# KiCad board chastity.kicad_pcb
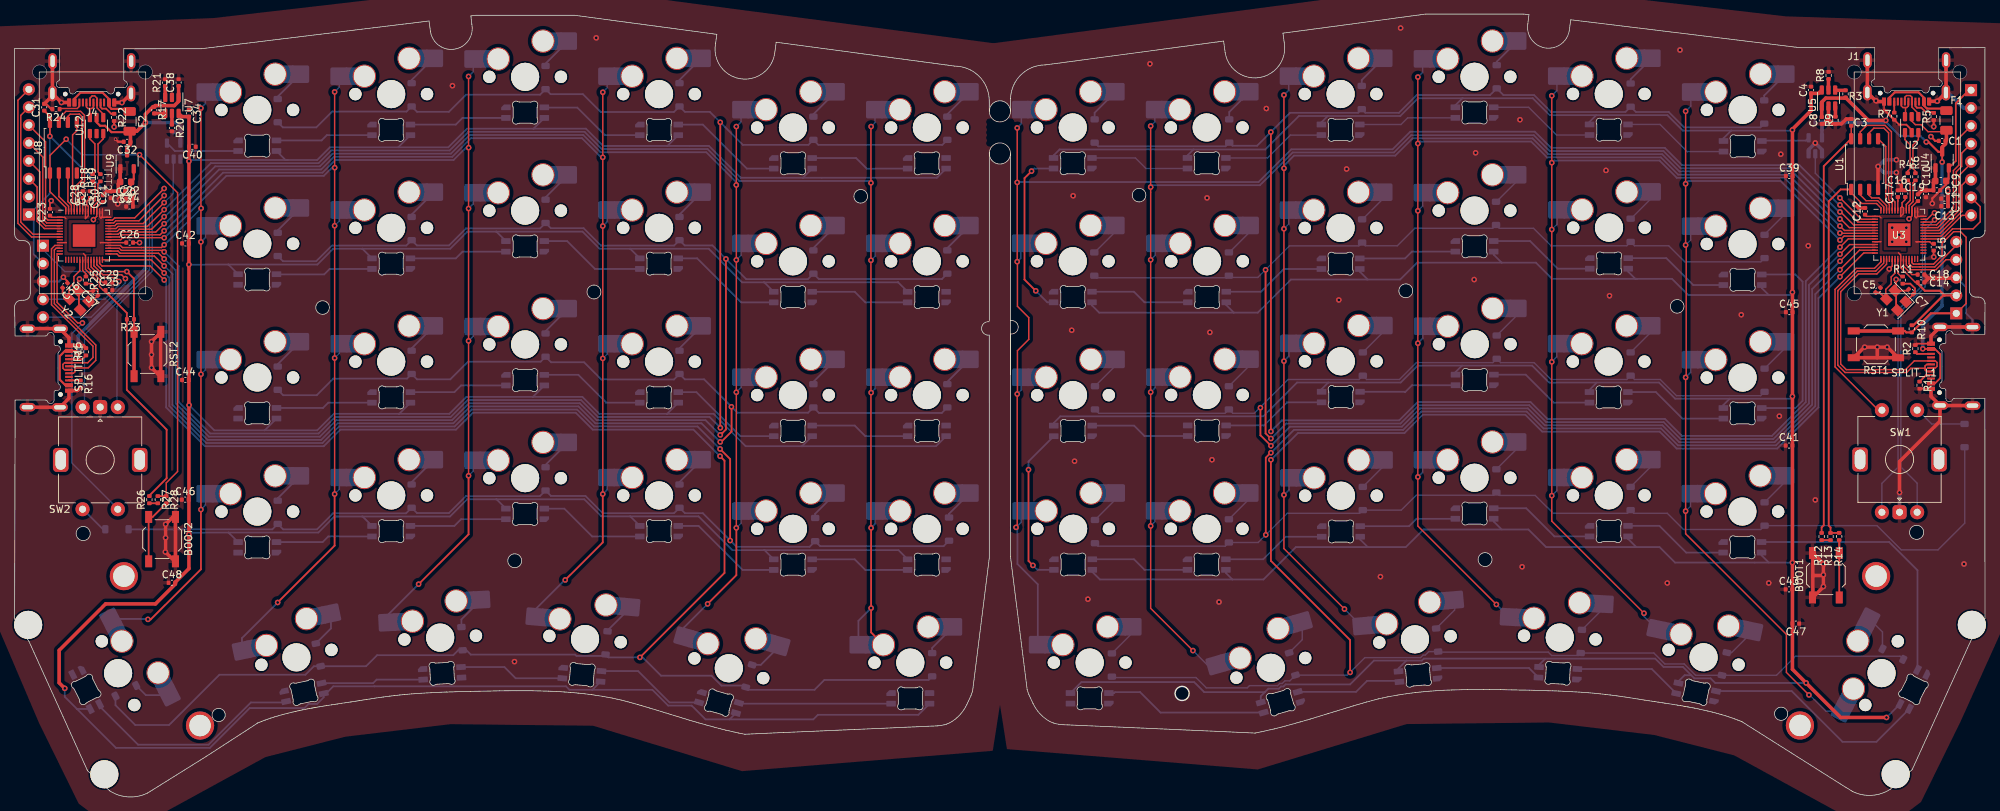
[diagram p0: board, top side]
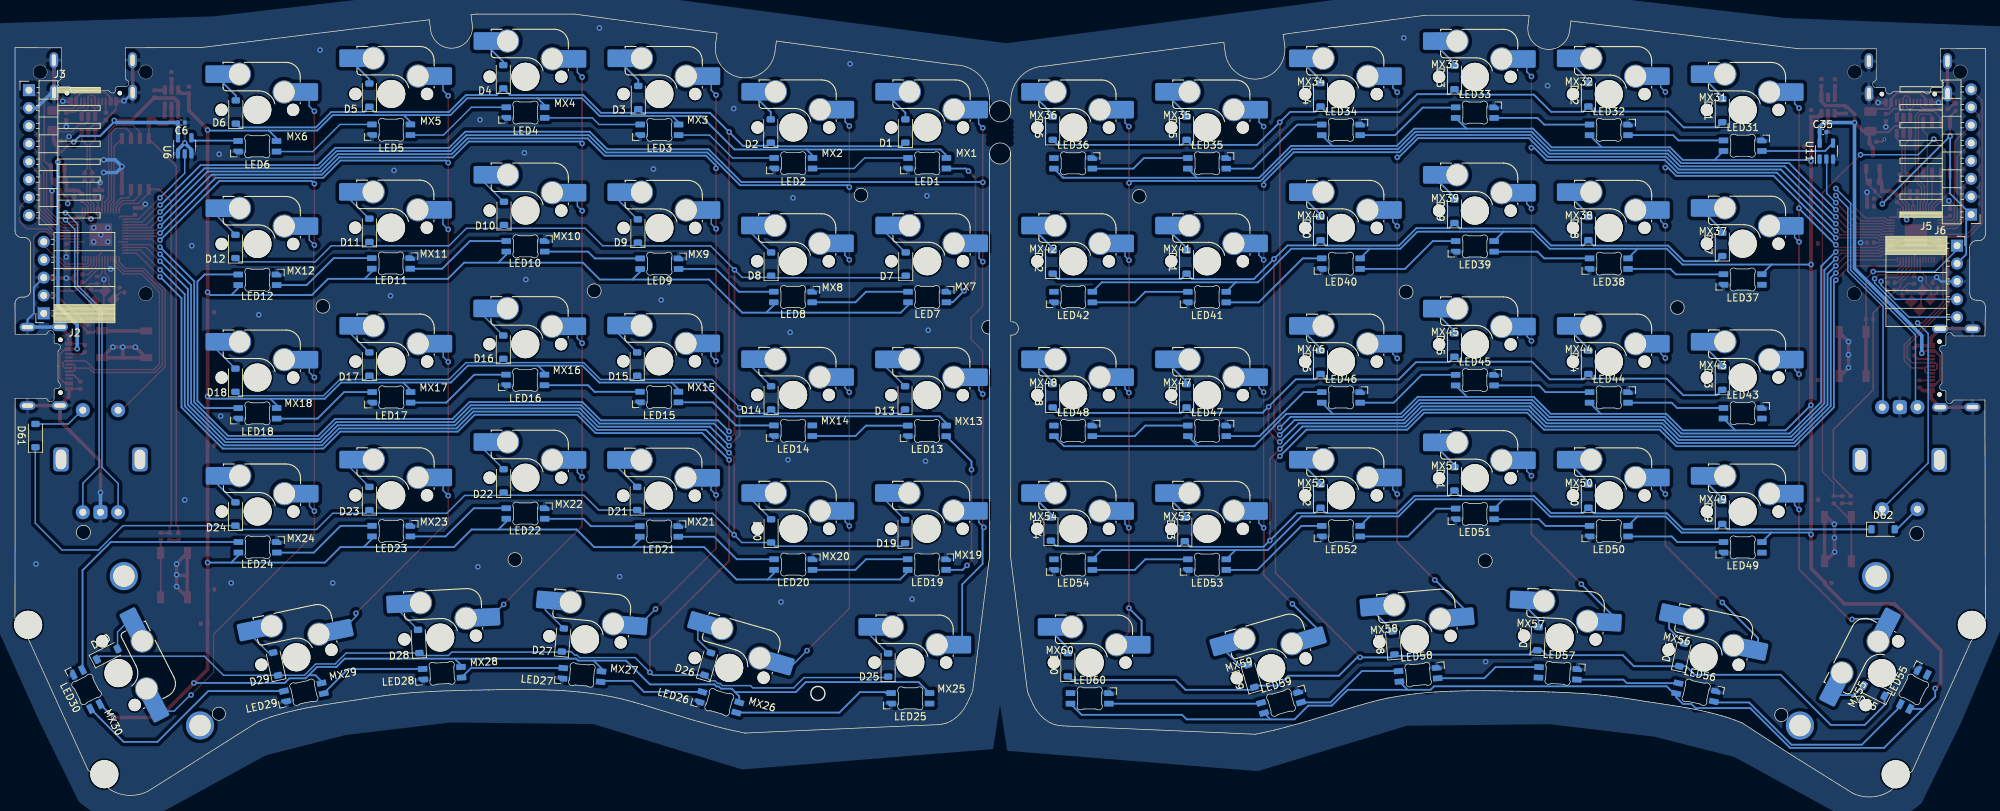
[diagram p1: board, bottom side, seen from below]

Outline 279.56 x 111.2 mm; copper layers: Top, Bottom. Coordinates in mm from the lower left corner of the outline.
Outline path: circle c9.73,37.42 r1 ; circle c28.95,11.65 r0.93 ; circle c43.7,69.52 r0.97 ; circle c70.96,33.55 r0.99 ; circle c82.2,71.73 r0.98 ; circle c120.05,85.32 r0.97 ; circle c139.79,97.38 r1.5 ; circle c139.79,91.4 r1.5 ; circle c159.54,85.49 r0.97 ; circle c165.65,14.71 r1 ; circle c197.39,71.9 r0.98 ; circle c208.63,33.72 r0.99 ; circle c235.89,69.69 r0.97 ; circle c250.64,11.82 r0.93 ; circle c269.86,37.59 r1 ; 0.07,65.48 0,69.61 arc(0.28,70.28) 0.94,70.55 1.28,70.55 arc(1.95,70.83) 2.23,71.5 2.23,78.07 arc(1.95,78.74) 1.28,79.01 0.95,79.02 arc(0.28,79.29) 0.01,79.96 0.01,106.29 6.4,106.27 ; 0.07,56.38 0.01,25.29 2.06,22.06 10.35,3.73 13.51,0.87 arc(16.13,0.01) 18.84,0.55 27.26,5.81 34.51,10.52 35.06,10.74 35.53,10.92 36.36,11.21 36.9,11.38 37.4,11.53 38.08,11.72 38.74,11.89 39.35,12.04 39.79,12.14 40.24,12.24 40.48,12.29 40.89,12.38 41.25,12.45 41.55,12.51 41.89,12.57 42.15,12.62 42.32,12.65 42.5,12.68 42.61,12.7 42.73,12.72 43.19,12.8 43.67,12.88 44.22,12.97 44.99,13.09 45.45,13.16 45.78,13.21 46.4,13.31 46.96,13.39 47.71,13.5 48.3,13.59 48.99,13.7 49.88,13.84 51.1,14.03 52.29,14.2 53.21,14.32 53.9,14.4 54.62,14.48 55.28,14.55 56.33,14.64 57.63,14.73 59.11,14.81 60.52,14.88 61.34,14.91 62.04,14.92 62.58,14.95 64.66,15 67.17,15.04 68.82,15.08 70.32,15.09 73.45,15.09 75.75,15.03 76.83,14.99 77.98,14.92 78.93,14.85 80.01,14.75 80.85,14.66 81.82,14.54 83.41,14.3 84.77,14.05 85.51,13.89 86.06,13.77 87,13.52 87.75,13.32 88.38,13.14 88.98,12.97 89.61,12.78 90.08,12.64 93.12,11.71 95.77,10.9 97.11,10.51 99.35,9.89 100.88,9.5 102.7,9.09 103.6,8.91 109.14,9.16 119.19,9.59 130.16,10.07 130.93,10.1 131.44,10.16 131.9,10.25 132.23,10.35 132.71,10.55 arc(134.09,11.63) 135.07,13.07 135.68,14.37 135.92,15.06 138.29,33.97 138.28,65.6 arc(137.19,66.55) 138.29,67.5 ; 15.5,106.27 26.48,106.28 58.8,110.22 59,108.73 arc(62.45,106.22) 64.88,109.72 64.73,110.94 65.46,111.03 79.42,111.03 99.63,108.32 99.45,106.99 ; 99.45,106.99 arc(102.91,102.02) 107.83,105.55 108.05,107.2 133.38,103.81 arc(136.82,102.39) 138.28,98.97 138.29,97.38 ; 138.29,67.66 138.29,91.56 ; 141.29,59.93 141.3,91.4 ; 141.3,67.67 arc(142.4,66.72) 141.3,65.77 141.3,34.14 143.67,15.23 143.91,14.54 144.51,13.24 arc(145.5,11.8) 146.88,10.72 147.36,10.52 147.69,10.42 148.15,10.33 148.66,10.27 149.43,10.24 170.45,9.33 175.99,9.08 176.89,9.26 178.71,9.67 180.24,10.06 182.48,10.68 183.82,11.07 186.47,11.88 189.51,12.81 189.98,12.95 190.61,13.14 191.21,13.31 191.84,13.49 192.59,13.69 193.53,13.94 194.08,14.06 194.82,14.22 196.18,14.47 197.77,14.71 198.74,14.83 199.58,14.92 200.66,15.02 201.61,15.09 202.76,15.16 203.84,15.2 206.14,15.26 209.27,15.26 210.77,15.25 212.42,15.21 214.93,15.17 217.01,15.12 217.55,15.09 218.25,15.08 219.07,15.05 220.48,14.98 221.96,14.9 223.26,14.81 224.31,14.72 224.97,14.65 225.69,14.57 226.38,14.49 227.3,14.37 228.49,14.2 229.71,14.01 230.6,13.87 231.29,13.76 231.88,13.67 232.63,13.56 233.19,13.48 233.81,13.38 234.14,13.33 234.6,13.26 235.37,13.14 235.92,13.05 236.4,12.97 236.86,12.89 236.98,12.87 237.09,12.85 237.27,12.82 237.44,12.79 237.7,12.74 238.04,12.68 238.34,12.62 238.7,12.55 239.11,12.46 239.35,12.41 239.8,12.31 240.24,12.21 240.85,12.06 241.51,11.89 242.19,11.7 242.69,11.55 243.23,11.38 244.06,11.09 244.53,10.91 245.08,10.69 259.69,1.44 260.78,0.77 arc(263.49,0.24) 266.12,1.1 269.24,3.9 277.55,22.19 279.56,25.33 279.54,56.63 ; 141.3,97.38 141.3,99.22 ; 141.3,99.14 arc(142.77,102.56) 146.21,103.98 171.54,107.37 171.76,105.72 arc(176.67,102.19) 180.14,107.16 ; 180.14,107.16 179.96,108.49 200.17,111.2 214.13,111.2 214.86,111.11 214.71,109.89 arc(217.14,106.39) 220.59,108.9 220.79,110.39 253.11,106.45 263.9,106.41 ; 273,106.41 279.56,106.43 279.56,80.41 arc(279.28,79.74) 278.61,79.47 278.28,79.46 arc(277.61,79.19) 277.34,78.52 277.34,71.95 arc(277.61,71.28) 278.28,71 278.62,71 arc(279.29,70.73) 279.56,70.06 279.54,65.73

## Placement (name value [footprint] x y rotation side)
BOOT1  SW_Push  [SW_SPST_TL3342]  256.98 31.49 90 top
BOOT2  SW_Push  [SW_SPST_TL3342]  20.92 36.63 270 top
C1  1u  [C_0402_1005Metric]  273.48 93.19 180 top
C2  1u  [C_0402_1005Metric]  272.72 86.17 180 top
C3  1u  [C_0402_1005Metric]  260.59 95.82 90 top
C4  100u  [C_0402_1005Metric]  254.88 100.41 270 top
C5  22p  [C_0402_1005Metric]  264.38 71.99 225 top
C6  100n  [C_0402_1005Metric]  255.95 95.79 0 bottom
C7  22p  [C_0402_1005Metric]  269.07 71.78 135 top
C8  100n  [C_0402_1005Metric]  256.4 96.09 270 top
C9  10u  [C_0603_1608Metric]  273.28 87.49 180 top
C10  1u  [C_0402_1005Metric]  271.19 85.67 90 top
C11  100n  [C_0402_1005Metric]  273.81 84.99 0 top
C12  100n  [C_0402_1005Metric]  262.54 83.19 90 top
C13  100n  [C_0402_1005Metric]  273.83 83.92 0 top
C14  100n  [C_0402_1005Metric]  270.48 73.09 0 top
C15  100n  [C_0402_1005Metric]  272.28 78.09 270 top
C16  100n  [C_0402_1005Metric]  268.25 85.69 90 top
C17  100n  [C_0402_1005Metric]  267.2 85.69 90 top
C18  100n  [C_0402_1005Metric]  270.48 74.2 0 top
C19  1u  [C_0402_1005Metric]  270.05 85.12 90 top
C20  10u  [C_0603_1608Metric]  15.76 87.36 180 top
C21  1u  [C_0402_1005Metric]  13.66 85.53 90 top
C22  100n  [C_0402_1005Metric]  16.3 84.97 0 top
C23  100n  [C_0402_1005Metric]  5.02 83.06 90 top
C24  100n  [C_0402_1005Metric]  16.3 83.86 0 top
C25  100n  [C_0402_1005Metric]  13.38 71.97 0 top
C26  100n  [C_0402_1005Metric]  16.32 78.74 0 top
C27  100n  [C_0402_1005Metric]  10.73 85.56 90 top
C28  1u  [C_0402_1005Metric]  9.67 85.56 90 top
C29  100n  [C_0402_1005Metric]  13.37 73.07 0 top
C30  100n  [C_0402_1005Metric]  12.52 84.98 90 top
C31  1u  [C_0402_1005Metric]  4.2 97.96 90 top
C32  1u  [C_0402_1005Metric]  15.96 93.06 180 top
C33  1u  [C_0402_1005Metric]  15.19 86.04 180 top
C34  100u  [C_0402_1005Metric]  24.73 97.11 270 top
C35  100n  [C_0402_1005Metric]  23.05 94.43 0 bottom
C36  22p  [C_0402_1005Metric]  7.16 72.66 225 top
C37  22p  [C_0402_1005Metric]  11.47 71.56 135 top
C38  100n  [C_0402_1005Metric]  23.27 101.48 90 top
C39  100u  [C_0402_1005Metric]  251.78 88.19 0 top
C40  100u  [C_0402_1005Metric]  25.22 92.36 180 top
C41  100u  [C_0402_1005Metric]  251.76 49.92 0 top
C42  100u  [C_0402_1005Metric]  24.24 78.63 0 top
C43  100u  [C_0402_1005Metric]  251.75 29.49 0 top
C44  100u  [C_0402_1005Metric]  24.24 59.23 0 top
C45  100u  [C_0402_1005Metric]  251.78 68.86 0 top
C46  100u  [C_0402_1005Metric]  24.2 42.23 0 top
C47  100u  [C_0402_1005Metric]  252.72 24.62 180 top
C48  100u  [C_0402_1005Metric]  22.32 30.43 0 top
D1  D_Small  [D_SOD-123]  153.23 94.59 90 bottom
D2  D_Small  [D_SOD-123]  172.33 94.59 90 bottom
D3  D_Small  [D_SOD-123]  191.13 99.34 90 bottom
D4  D_Small  [D_SOD-123]  210.28 102.29 90 bottom
D5  D_Small  [D_SOD-123]  229.28 99.69 90 bottom
D6  D_Small  [D_SOD-123]  248.23 97.29 90 bottom
D7  D_Small  [D_SOD-123]  153.18 75.69 90 bottom
D8  D_Small  [D_SOD-123]  172.28 75.69 90 bottom
D9  D_Small  [D_SOD-123]  191.18 80.39 90 bottom
D10  D_Small  [D_SOD-123]  210.18 82.89 90 bottom
D11  D_Small  [D_SOD-123]  229.28 80.49 90 bottom
D12  D_Small  [D_SOD-123]  248.28 78.19 90 bottom
D13  D_Small  [D_SOD-123]  153.28 56.69 90 bottom
D14  D_Small  [D_SOD-123]  172.28 56.69 90 bottom
D15  D_Small  [D_SOD-123]  191.28 61.49 90 bottom
D16  D_Small  [D_SOD-123]  210.28 63.89 90 bottom
D17  D_Small  [D_SOD-123]  229.28 61.49 90 bottom
D18  D_Small  [D_SOD-123]  248.28 59.19 90 bottom
D19  D_Small  [D_SOD-123]  153.28 37.69 90 bottom
D20  D_Small  [D_SOD-123]  172.28 37.79 90 bottom
D21  D_Small  [D_SOD-123]  191.28 42.39 90 bottom
D22  D_Small  [D_SOD-123]  210.23 44.89 90 bottom
D23  D_Small  [D_SOD-123]  229.28 42.39 90 bottom
D24  D_Small  [D_SOD-123]  248.28 40.19 90 bottom
D25  D_Small  [D_SOD-123]  155.68 18.74 90 bottom
D26  D_Small  [D_SOD-123]  181.28 18.89 106 bottom
D27  D_Small  [D_SOD-123]  201.83 22.29 95 bottom
D28  D_Small  [D_SOD-123]  222.28 22.09 87 bottom
D29  D_Small  [D_SOD-123]  242.58 18.89 78 bottom
D30  D_Small  [D_SOD-123]  266.48 20.29 153 bottom
D31  D_Small  [D_SOD-123]  37.33 97.48 90 bottom
D32  D_Small  [D_SOD-123]  56.33 99.73 90 bottom
D33  D_Small  [D_SOD-123]  75.33 102.18 90 bottom
D34  D_Small  [D_SOD-123]  94.33 99.73 90 bottom
D35  D_Small  [D_SOD-123]  113.33 94.98 90 bottom
D36  D_Small  [D_SOD-123]  132.33 94.98 90 bottom
D37  D_Small  [D_SOD-123]  37.33 78.48 90 bottom
D38  D_Small  [D_SOD-123]  56.33 80.73 90 bottom
D39  D_Small  [D_SOD-123]  75.33 83.18 90 bottom
D40  D_Small  [D_SOD-123]  94.33 80.73 90 bottom
D41  D_Small  [D_SOD-123]  113.33 75.98 90 bottom
D42  D_Small  [D_SOD-123]  132.33 75.98 90 bottom
D43  D_Small  [D_SOD-123]  37.33 59.48 90 bottom
D44  D_Small  [D_SOD-123]  56.33 61.73 90 bottom
D45  D_Small  [D_SOD-123]  75.33 64.18 90 bottom
D46  D_Small  [D_SOD-123]  94.33 61.73 90 bottom
D47  D_Small  [D_SOD-123]  113.33 56.98 90 bottom
D48  D_Small  [D_SOD-123]  132.33 56.98 90 bottom
D49  D_Small  [D_SOD-123]  37.33 40.43 90 bottom
D50  D_Small  [D_SOD-123]  56.33 42.73 90 bottom
D51  D_Small  [D_SOD-123]  75.33 45.18 90 bottom
D52  D_Small  [D_SOD-123]  94.33 42.73 90 bottom
D53  D_Small  [D_SOD-123]  113.59 37.98 90 bottom
D54  D_Small  [D_SOD-123]  132.58 38.05 90 bottom
D55  D_Small  [D_SOD-123]  15.78 15.08 27 bottom
D56  D_Small  [D_SOD-123]  43.08 20.18 102 bottom
D57  D_Small  [D_SOD-123]  63.48 22.48 93 bottom
D58  D_Small  [D_SOD-123]  83.98 21.88 85 bottom
D59  D_Small  [D_SOD-123]  104.18 17.18 74 bottom
D60  D_Small  [D_SOD-123]  130.18 18.78 90 bottom
D61  D_Small  [D_SOD-123]  276.66 51.33 90 bottom
D62  D_Small  [D_SOD-123]  14.52 38.03 180 bottom
F1  Fuse_Small  [Fuse_1206_3216Metric]  274.08 96.09 270 top
F2  Fuse_Small  [Fuse_1206_3216Metric]  16.32 95.96 270 top
J1  USB_C_Receptacle_USB2.0  [USB_C_Receptacle_HRO_TYPE-C-31-M-14]  268.44 99.98 180 top
J2  Conn_01x05  [PinSocket_1x05_P2.54mm_Horizontal]  275.48 68.69 0 bottom
J3  Conn_01x08_Pin  [PinHeader_1x08_P2.54mm_Horizontal]  277.58 100.39 180 bottom
J4  USB_C_Receptacle_USB2.0  [USB_C_Receptacle_HRO_TYPE-C-31-M-14]  10.94 99.84 180 top
J5  Conn_01x05  [PinSocket_1x05_P2.54mm_Horizontal]  4.02 78.31 180 bottom
J6  Conn_01x08_Pin  [PinHeader_1x08_P2.54mm_Horizontal]  2.02 82.73 0 bottom
LED1  SK6803MINI-E  [LED_MX_6028R]  150.13 90.01 180 bottom
LED2  SK6803MINI-E  [LED_MX_6028R]  169.13 90.01 180 bottom
LED3  SK6803MINI-E  [LED_MX_6028R]  188.13 94.76 180 bottom
LED4  SK6803MINI-E  [LED_MX_6028R]  207.13 97.21 180 bottom
LED5  SK6803MINI-E  [LED_MX_6028R]  226.18 94.77 180 bottom
LED6  SK6803MINI-E  [LED_MX_6028R]  245.18 92.42 180 bottom
LED7  SK6803MINI-E  [LED_MX_6028R]  150.13 71.01 0 bottom
LED8  SK6803MINI-E  [LED_MX_6028R]  169.18 71.01 0 bottom
LED9  SK6803MINI-E  [LED_MX_6028R]  188.13 75.74 0 bottom
LED10  SK6803MINI-E  [LED_MX_6028R]  207.13 78.21 0 bottom
LED11  SK6803MINI-E  [LED_MX_6028R]  226.21 75.78 0 bottom
LED12  SK6803MINI-E  [LED_MX_6028R]  245.16 73.46 0 bottom
LED13  SK6803MINI-E  [LED_MX_6028R]  150.16 51.99 180 bottom
LED14  SK6803MINI-E  [LED_MX_6028R]  169.16 52.02 180 bottom
LED15  SK6803MINI-E  [LED_MX_6028R]  188.16 56.8 180 bottom
LED16  SK6803MINI-E  [LED_MX_6028R]  207.16 59.23 180 bottom
LED17  SK6803MINI-E  [LED_MX_6028R]  226.16 56.76 180 bottom
LED18  SK6803MINI-E  [LED_MX_6028R]  245.16 54.49 180 bottom
LED19  SK6803MINI-E  [LED_MX_6028R]  150.18 33.01 0 bottom
LED20  SK6803MINI-E  [LED_MX_6028R]  169.13 33.01 0 bottom
LED21  SK6803MINI-E  [LED_MX_6028R]  188.18 37.71 0 bottom
LED22  SK6803MINI-E  [LED_MX_6028R]  207.13 40.26 0 bottom
LED23  SK6803MINI-E  [LED_MX_6028R]  226.18 37.76 0 bottom
LED24  SK6803MINI-E  [LED_MX_6028R]  245.13 35.46 0 bottom
LED25  SK6803MINI-E  [LED_MX_6028R]  152.53 14.01 180 bottom
LED26  SK6803MINI-E  [LED_MX_6028R]  179.63 13.46 196 bottom
LED27  SK6803MINI-E  [LED_MX_6028R]  199.13 17.33 185 bottom
LED28  SK6803MINI-E  [LED_MX_6028R]  218.97 17.57 177 bottom
LED29  SK6803MINI-E  [LED_MX_6028R]  238.58 14.88 168 bottom
LED30  SK6803MINI-E  [LED_MX_6028R]  269.41 15.29 243 bottom
LED31  SK6803MINI-E  [LED_MX_6028R]  34.43 92.5 0 bottom
LED32  SK6803MINI-E  [LED_MX_6028R]  53.43 94.75 0 bottom
LED33  SK6803MINI-E  [LED_MX_6028R]  72.43 97.2 0 bottom
LED34  SK6803MINI-E  [LED_MX_6028R]  91.43 94.75 0 bottom
LED35  SK6803MINI-E  [LED_MX_6028R]  110.43 90 0 bottom
LED36  SK6803MINI-E  [LED_MX_6028R]  129.43 90 0 bottom
LED37  SK6803MINI-E  [LED_MX_6028R]  34.43 73.5 180 bottom
LED38  SK6803MINI-E  [LED_MX_6028R]  53.43 75.75 180 bottom
LED39  SK6803MINI-E  [LED_MX_6028R]  72.43 78.2 180 bottom
LED40  SK6803MINI-E  [LED_MX_6028R]  91.43 75.75 180 bottom
LED41  SK6803MINI-E  [LED_MX_6028R]  110.43 71 180 bottom
LED42  SK6803MINI-E  [LED_MX_6028R]  129.43 71 180 bottom
LED43  SK6803MINI-E  [LED_MX_6028R]  34.43 54.5 0 bottom
LED44  SK6803MINI-E  [LED_MX_6028R]  53.43 56.75 0 bottom
LED45  SK6803MINI-E  [LED_MX_6028R]  72.43 59.2 0 bottom
LED46  SK6803MINI-E  [LED_MX_6028R]  91.43 56.75 0 bottom
LED47  SK6803MINI-E  [LED_MX_6028R]  110.43 52 0 bottom
LED48  SK6803MINI-E  [LED_MX_6028R]  129.43 52 0 bottom
LED49  SK6803MINI-E  [LED_MX_6028R]  34.43 35.45 180 bottom
LED50  SK6803MINI-E  [LED_MX_6028R]  53.43 37.75 180 bottom
LED51  SK6803MINI-E  [LED_MX_6028R]  72.43 40.2 180 bottom
LED52  SK6803MINI-E  [LED_MX_6028R]  91.43 37.75 180 bottom
LED53  SK6803MINI-E  [LED_MX_6028R]  110.43 33 180 bottom
LED54  SK6803MINI-E  [LED_MX_6028R]  129.43 33 180 bottom
LED55  SK6803MINI-E  [LED_MX_6028R]  10.16 15.28 297 bottom
LED56  SK6803MINI-E  [LED_MX_6028R]  41.04 14.87 12 bottom
LED57  SK6803MINI-E  [LED_MX_6028R]  60.65 17.56 3 bottom
LED58  SK6803MINI-E  [LED_MX_6028R]  80.49 17.37 355 bottom
LED59  SK6803MINI-E  [LED_MX_6028R]  99.93 13.4 344 bottom
LED60  SK6803MINI-E  [LED_MX_6028R]  127.08 14 0 bottom
MX1  MX_SW_HS  [SW_MX_HS_1u]  150.13 95.09 180 bottom
MX2  MX_SW_HS  [SW_MX_HS_1u]  169.13 95.09 180 bottom
MX3  MX_SW_HS  [SW_MX_HS_1u]  188.13 99.84 180 bottom
MX4  MX_SW_HS  [SW_MX_HS_1u]  207.13 102.29 180 bottom
MX5  MX_SW_HS  [SW_MX_HS_1u]  226.18 99.85 180 bottom
MX6  MX_SW_HS  [SW_MX_HS_1u]  245.18 97.59 180 bottom
MX7  MX_SW_HS  [SW_MX_HS_1u]  150.13 76.09 180 bottom
MX8  MX_SW_HS  [SW_MX_HS_1u]  169.18 76.09 180 bottom
MX9  MX_SW_HS  [SW_MX_HS_1u]  188.13 80.82 180 bottom
MX10  MX_SW_HS  [SW_MX_HS_1u]  207.13 83.29 180 bottom
MX11  MX_SW_HS  [SW_MX_HS_1u]  226.21 80.86 180 bottom
MX12  MX_SW_HS  [SW_MX_HS_1u]  245.16 78.54 180 bottom
MX13  MX_SW_HS  [SW_MX_HS_1u]  150.16 57.07 180 bottom
MX14  MX_SW_HS  [SW_MX_HS_1u]  169.16 57.1 180 bottom
MX15  MX_SW_HS  [SW_MX_HS_1u]  188.16 61.88 180 bottom
MX16  MX_SW_HS  [SW_MX_HS_1u]  207.16 64.31 180 bottom
MX17  MX_SW_HS  [SW_MX_HS_1u]  226.16 61.84 180 bottom
MX18  MX_SW_HS  [SW_MX_HS_1u]  245.16 59.57 180 bottom
MX19  MX_SW_HS  [SW_MX_HS_1u]  150.18 38.09 180 bottom
MX20  MX_SW_HS  [SW_MX_HS_1u]  169.13 38.09 180 bottom
MX21  MX_SW_HS  [SW_MX_HS_1u]  188.18 42.79 180 bottom
MX22  MX_SW_HS  [SW_MX_HS_1u]  207.13 45.34 180 bottom
MX23  MX_SW_HS  [SW_MX_HS_1u]  226.18 42.84 180 bottom
MX24  MX_SW_HS  [SW_MX_HS_1u]  245.13 40.54 180 bottom
MX25  MX_SW_HS  [SW_MX_HS_1u]  152.53 19.09 180 bottom
MX26  MX_SW_HS  [SW_MX_HS_1u]  178.23 18.34 196 bottom
MX27  MX_SW_HS  [SW_MX_HS_1u]  198.68 22.39 185 bottom
MX28  MX_SW_HS  [SW_MX_HS_1u]  219.23 22.64 177 bottom
MX29  MX_SW_HS  [SW_MX_HS_1u]  239.63 19.84 168 bottom
MX30  MX_SW_HS  [SW_MX_HS_1u]  264.88 17.59 243 bottom
MX31  MX_SW_HS  [SW_MX_HS_1u]  34.43 97.58 180 bottom
MX32  MX_SW_HS  [SW_MX_HS_1u]  53.43 99.83 180 bottom
MX33  MX_SW_HS  [SW_MX_HS_1u]  72.43 102.28 180 bottom
MX34  MX_SW_HS  [SW_MX_HS_1u]  91.43 99.83 180 bottom
MX35  MX_SW_HS  [SW_MX_HS_1u]  110.43 95.08 180 bottom
MX36  MX_SW_HS  [SW_MX_HS_1u]  129.43 95.08 180 bottom
MX37  MX_SW_HS  [SW_MX_HS_1u]  34.43 78.58 180 bottom
MX38  MX_SW_HS  [SW_MX_HS_1u]  53.43 80.83 180 bottom
MX39  MX_SW_HS  [SW_MX_HS_1u]  72.43 83.28 180 bottom
MX40  MX_SW_HS  [SW_MX_HS_1u]  91.43 80.83 180 bottom
MX41  MX_SW_HS  [SW_MX_HS_1u]  110.43 76.08 180 bottom
MX42  MX_SW_HS  [SW_MX_HS_1u]  129.43 76.08 180 bottom
MX43  MX_SW_HS  [SW_MX_HS_1u]  34.43 59.58 180 bottom
MX44  MX_SW_HS  [SW_MX_HS_1u]  53.43 61.83 180 bottom
MX45  MX_SW_HS  [SW_MX_HS_1u]  72.43 64.28 180 bottom
MX46  MX_SW_HS  [SW_MX_HS_1u]  91.43 61.83 180 bottom
MX47  MX_SW_HS  [SW_MX_HS_1u]  110.43 57.08 180 bottom
MX48  MX_SW_HS  [SW_MX_HS_1u]  129.43 57.08 180 bottom
MX49  MX_SW_HS  [SW_MX_HS_1u]  34.43 40.53 180 bottom
MX50  MX_SW_HS  [SW_MX_HS_1u]  53.43 42.83 180 bottom
MX51  MX_SW_HS  [SW_MX_HS_1u]  72.43 45.28 180 bottom
MX52  MX_SW_HS  [SW_MX_HS_1u]  91.43 42.83 180 bottom
MX53  MX_SW_HS  [SW_MX_HS_1u]  110.43 38.08 180 bottom
MX54  MX_SW_HS  [SW_MX_HS_1u]  129.43 38.08 180 bottom
MX55  MX_SW_HS  [SW_MX_HS_1u]  14.68 17.58 117 bottom
MX56  MX_SW_HS  [SW_MX_HS_1u]  39.98 19.83 192 bottom
MX57  MX_SW_HS  [SW_MX_HS_1u]  60.38 22.63 183 bottom
MX58  MX_SW_HS  [SW_MX_HS_1u]  80.93 22.43 175 bottom
MX59  MX_SW_HS  [SW_MX_HS_1u]  101.33 18.28 164 bottom
MX60  MX_SW_HS  [SW_MX_HS_1u]  127.08 19.08 180 bottom
R1  5K1  [R_0402_1005Metric]  270.28 58.49 270 top
R2  5K1  [R_0402_1005Metric]  269.68 63.69 90 top
R3  5k1  [R_0402_1005Metric]  259.77 99.86 270 top
R4  27  [R_0402_1005Metric]  268.6 88.09 90 top
R5  5K1  [R_0402_1005Metric]  272.29 96.65 270 top
R6  27  [R_0402_1005Metric]  269.68 88.09 90 top
R7  5K1  [R_0402_1005Metric]  266.68 96.69 270 top
R8  75k  [R_0402_1005Metric]  257.37 102.49 90 top
R9  5k1  [R_0402_1005Metric]  258.34 96.12 270 top
R10  5K1  [R_0402_1005Metric]  269.17 66.49 90 top
R11  1k  [R_0402_1005Metric]  267.89 73.42 270 top
R12  5K1  [R_0402_1005Metric]  256.38 36.99 90 top
R13  5K1  [R_0402_1005Metric]  257.64 36.99 270 top
R14  1k  [R_0402_1005Metric]  258.87 37.01 270 top
R15  5K1  [R_0402_1005Metric]  10.12 63.23 90 top
R16  5K1  [R_0402_1005Metric]  9.35 58.66 270 top
R17  5k1  [C_0402_1005Metric]  19.81 97.56 270 top
R18  27  [R_0402_1005Metric]  11.07 87.96 90 top
R19  27  [R_0402_1005Metric]  12.17 87.95 90 top
R20  75k  [C_0402_1005Metric]  22.32 95.03 270 top
R21  5k1  [C_0402_1005Metric]  21.36 101.47 90 top
R22  5K1  [R_0402_1005Metric]  14.12 96.53 270 top
R23  5K1  [R_0402_1005Metric]  16.44 67.85 180 top
R24  5K1  [R_0402_1005Metric]  5.88 97.7 180 top
R25  1k  [R_0402_1005Metric]  10.12 73.43 270 top
R26  5K1  [R_0402_1005Metric]  19.12 42.23 90 top
R27  5K1  [R_0402_1005Metric]  20.32 42.23 270 top
R28  1k  [R_0402_1005Metric]  21.52 42.23 270 top
RST1  SW_Push  [SW_SPST_TL3342]  264.08 64.29 0 top
RST2  SW_Push  [SW_SPST_TL3342]  18.85 62.92 270 top
S1  MX_stab  [STAB_MX_P_2u]  264.93 17.59 63 top
S31  MX_stab  [STAB_MX_P_2u]  14.68 17.58 297 top
SPLIT_L1  USB-C-2.0  [USB_C_Receptacle_HRO_TYPE-C-31-M-14]  273.1 61.19 90 top
SPLIT_R1  USB-C-2.0  [USB_C_Receptacle_HRO_TYPE-C-31-M-14]  6.51 60.92 270 top
SW1  RotaryEncoder_Switch  [ROT_Alps_EC11E-Switch]  267.43 47.94 0 top
SW2  RotaryEncoder_Switch  [ROT_Alps_EC11E-Switch]  12.14 47.88 180 top
TFT1  ~  [TFT 1.47 waveshare]  260.55 71.47 90 top
TFT2  ~  [TFT 1.47 waveshare]  19.05 102.98 270 top
U1  W25Q128JVS  [SOIC-8_5.23x5.23mm_P1.27mm]  262.48 89.89 90 top
U2  USBLC6-2SC6  [SOT-23-6]  269.16 95.49 90 top
U3  RP2040  [QFN-56-1EP_7x7mm_P0.4mm_EP3.2x3.2mm]  267.39 79.87 0 top
U4  XC6206PxxxMR  [SOT-23-3]  273.48 90.49 90 top
U5  TPS2553DBVR  [SOT-23-6]  257.35 99.27 90 top
U6  74AHC1G125  [SOT-23-5]  255.48 92.49 90 bottom
U7  TPS2553DBVR  [SOT-23-6]  22.32 98.23 270 top
U8  W25Q128JVS  [SOIC-8_5.23x5.23mm_P1.27mm]  6.92 92.23 90 top
U9  XC6206PxxxMR  [SOT-23-3]  15.96 90.36 90 top
U10  RP2040  [QFN-56-1EP_7x7mm_P0.4mm_EP3.2x3.2mm]  9.86 79.74 0 top
U11  74AHC1G125  [SOT-23-5]  22.57 91.74 90 bottom
U12  USBLC6-2SC6  [SOT-23-6]  11.63 95.36 90 top
Y1  Crystal_GND24  [Crystal_SMD_3225-4Pin_3.2x2.5mm]  266.95 70.51 135 top
Y2  Crystal_GND24  [Crystal_SMD_3225-4Pin_3.2x2.5mm]  9.12 70.56 135 top

## Library data of the parts
BOOT1 BOOT2 RST1 RST2 = -: Description: Push button switch, generic, two pins
C1-C7 C9-C37 C39-C48 = -: Description: Unpolarized capacitor, small symbol
C8 C38 = -: Description: Unpolarized capacitor; LCSC: C1760
D1-D62 = -: Description: Diode, small symbol; Sim.Device: D; Sim.Pins: 1=K 2=A
F1 F2 = -: Description: Fuse, small symbol
J1 J4 SPLIT_L1 SPLIT_R1 = -: Description: USB 2.0-only Type-C Receptacle connector
J2 J5 = -: Description: Generic connector, single row, 01x05, script generated (kicad-library-utils/schlib/autogen/connector/)
J3 J6 = -: Description: Generic connector, single row, 01x08, script generated
LED1-LED60 = -: Description: Reverse mount adressable LED (WS2812 protocol); Field4: 1
MX1-MX60 = -: Description: Push button switch, normally open, two pins, 45° tilted
R1 R2 R4-R7 R10-R16 R18 R19 R22-R28 = -: Description: Resistor, small symbol
R3 R9 R17 R21 = -: Description: Resistor; LCSC: C27834
R8 R20 = -: Description: Resistor; LCSC: C17819
S1 S31 = -: Description: Cherry MX-style stabilizer
SW1 SW2 = -: Description: Rotary encoder, dual channel, incremental quadrate outputs, with switch
U1 U8 = -: Description: 128Mb Serial Flash Memory, Standard/Dual/Quad SPI, SOIC-8
U2 U12 = -: Description: Very low capacitance ESD protection diode, 2 data-line, SOT-23-6
U3 U10 = -: Description: A microcontroller by Raspberry Pi
U4 U9 = -: Description: Positive 60-250mA Low Dropout Regulator, Fixed Output, SOT-23
U5 U7 = -: LCSC: C55266
U6 U11 = -: Description: Single Buffer Gate Tri-State, Low-Voltage CMOS
Y1 Y2 = -: Description: Four pin crystal, GND on pins 2 and 4

## Footprints (pads in the part's own frame, mm; a bottom-side part is the same pattern mirrored in y, then rotated)
C_0402_1005Metric
  rrect 0.56x0.62 smd: 1(-0.48,0) 2(0.48,0)
C_0603_1608Metric
  rrect 0.9x0.95 smd: 1(-0.775,0) 2(0.775,0)
Crystal_SMD_3225-4Pin_3.2x2.5mm
  rect 1.4x1.2 smd: 1(-1.1,-0.85) 2(1.1,-0.85) 3(1.1,0.85) 4(-1.1,0.85)
D_SOD-123
  rrect 0.9x1.2 smd: 1(-1.65,0) 2(1.65,0)
Fuse_1206_3216Metric
  rrect 1.25x1.75 smd: 1(-1.4,0) 2(1.4,0)
LED_MX_6028R
  rrect 1.35x0.82 smd: 1(2.725,0.75) 2(2.725,-0.75) 3(-2.725,0.75) 4(-2.725,-0.75)
PinHeader_1x08_P2.54mm_Horizontal
  rect 1.7x1.7 hole 1: 1(0,0)
  oval 1.7x1.7 hole 1: 2(0,-2.54) 3(0,-5.08) 4(0,-7.62) 5(0,-10.16) 6(0,-12.7) 7(0,-15.24) 8(0,-17.78)
PinSocket_1x05_P2.54mm_Horizontal
  rect 1.7x1.7 hole 1: 1(0,0)
  oval 1.7x1.7 hole 1: 2(0,-2.54) 3(0,-5.08) 4(0,-7.62) 5(0,-10.16)
QFN-56-1EP_7x7mm_P0.4mm_EP3.2x3.2mm
  rrect 1.29x1.29 smd: (-0.8,0.8) (-0.8,-0.8) (0.8,0.8) (0.8,-0.8)
  rrect 0.875x0.2 smd: 1(-3.438,2.6) 2(-3.438,2.2) 3(-3.438,1.8) 4(-3.438,1.4) 5(-3.438,1) 6(-3.438,0.6) 7(-3.438,0.2) 8(-3.438,-0.2) 9(-3.438,-0.6) 10(-3.438,-1) 11(-3.438,-1.4) 12(-3.438,-1.8) 13(-3.438,-2.2) 14(-3.438,-2.6) 29(3.438,-2.6) 30(3.438,-2.2) 31(3.438,-1.8) 32(3.438,-1.4) 33(3.438,-1) 34(3.438,-0.6) 35(3.438,-0.2) 36(3.438,0.2) 37(3.438,0.6) 38(3.438,1) 39(3.438,1.4) 40(3.438,1.8) 41(3.438,2.2) 42(3.438,2.6)
  rrect 0.2x0.875 smd: 15(-2.6,-3.438) 16(-2.2,-3.438) 17(-1.8,-3.438) 18(-1.4,-3.438) 19(-1,-3.438) 20(-0.6,-3.438) 21(-0.2,-3.438) 22(0.2,-3.438) 23(0.6,-3.438) 24(1,-3.438) 25(1.4,-3.438) 26(1.8,-3.438) 27(2.2,-3.438) 28(2.6,-3.438) 43(2.6,3.438) 44(2.2,3.438) 45(1.8,3.438) 46(1.4,3.438) 47(1,3.438) 48(0.6,3.438) 49(0.2,3.438) 50(-0.2,3.438) 51(-0.6,3.438) 52(-1,3.438) 53(-1.4,3.438) 54(-1.8,3.438) 55(-2.2,3.438) 56(-2.6,3.438)
  rect 3.2x3.2 smd: 57(0,0)
R_0402_1005Metric
  rrect 0.54x0.64 smd: 1(-0.51,0) 2(0.51,0)
ROT_Alps_EC11E-Switch
  round 2 hole 1: A(-2.5,-7.5) B(2.5,-7.5) S1(2.5,7) S2(-2.5,7)
  rrect 2x2 hole 1: C(0,-7.5)
  rrect 2.2x3.4 hole 1.5x2.8: MP(-5.6,0) MP(5.6,0)
SOIC-8_5.23x5.23mm_P1.27mm
  rrect 1.6x0.6 smd: 1(-3.6,1.905) 2(-3.6,0.635) 3(-3.6,-0.635) 4(-3.6,-1.905) 5(3.6,-1.905) 6(3.6,-0.635) 7(3.6,0.635) 8(3.6,1.905)
SOT-23-3
  rrect 1.325x0.6 smd: 1(-1.137,0.95) 2(-1.137,-0.95) 3(1.137,0)
SOT-23-5
  rrect 1.325x0.6 smd: 1(-1.137,0.95) 2(-1.137,0) 3(-1.137,-0.95) 4(1.137,-0.95) 5(1.137,0.95)
SOT-23-6
  rrect 1.325x0.6 smd: 1(-1.137,0.95) 2(-1.137,0) 3(-1.137,-0.95) 4(1.137,-0.95) 5(1.137,0) 6(1.137,0.95)
STAB_MX_P_2u
  round 4 hole 3.048: (-11.906,6.985) (11.906,6.985)
  round 3.988 hole 3.988 unplated: (-11.906,-8.255) (11.906,-8.255)
SW_MX_HS_1u
  round 1.75 hole 1.75 unplated: (-5.08,0) (5.08,0)
  round 3.988 hole 3.988 unplated: (0,0)
  round 3.3 hole 3: 1(3.81,2.54) 2(-2.54,5.08)
  rect 1.65x2.5 smd: 1(5.635,2.54) 2(-4.34,5.08)
  rrect 2.55x2.5 smd: 1(7.36,2.54) 2(-6.09,5.08)
SW_SPST_TL3342
  rect 1.7x1 smd: 1(-3.15,1.9) 1(3.15,1.9) 2(-3.15,-1.9) 2(3.15,-1.9)
USB_C_Receptacle_HRO_TYPE-C-31-M-14
  round 0.65 hole 0.65 unplated: (-3.75,0) (3.75,0)
  rect 0.54x1.1 smd: A1(-3.2,1.2) A4(-2.45,1.2) A9(2.45,1.2) A12(3.2,1.2) B1(3.2,1.2) B4(2.45,1.2) B9(-2.45,1.2) B12(-3.2,1.2)
  rect 0.3x1.1 smd: A5(-1.25,1.2) A6(-0.25,1.2) A7(0.25,1.2) A8(1.25,1.2) B5(1.75,1.2) B6(0.75,1.2) B7(-0.75,1.2) B8(-1.75,1.2)
  oval 1.2x2.25 hole 0.6x1.65: S1(-5.595,-4.68) S1(-5.575,-0.08) S1(5.555,-4.68) S1(5.575,-0.08)
